# Altium PCB WAB_1x4_PCB.PcbDoc (part 1 of 5)
Units mil, origin at the board's own origin, x right, y up, seen from the top; angles counter-clockwise.
Board outline 13210.03 x 3810.03 mil, 12 copper layers (Top Layer, Ground Plane 1 (GND), Inner Layer 1, Ground Plane 2 (GND), Inner Layer 2, Power Plane (+3.3V), Power Plane (+12V), Inner Layer 3, Ground Plane 3 (GND), Inner Layer 4, Ground Plane 4 (GND), Bottom Layer), stack 82.8 mil thick; 113 components, 354 nets, 1682 pads, 1796 vias.
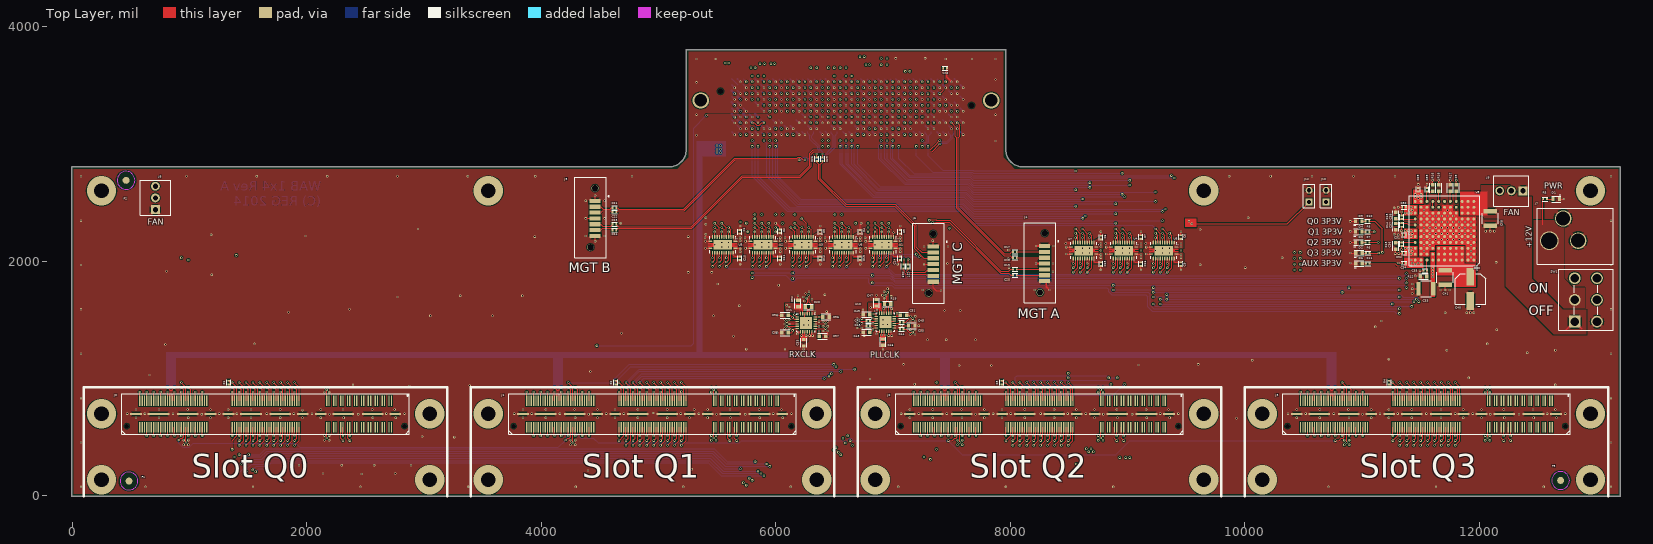
[diagram p0: Top Layer view]
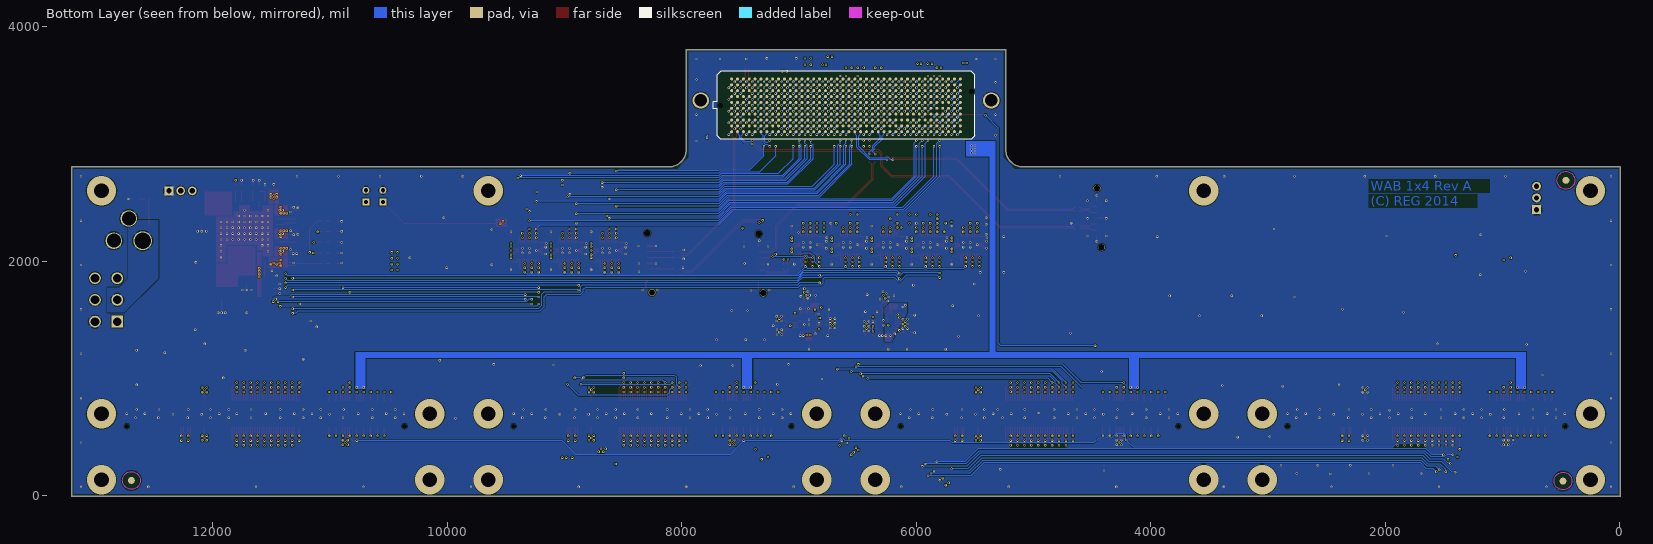
[diagram p1: Bottom Layer view, seen from below]
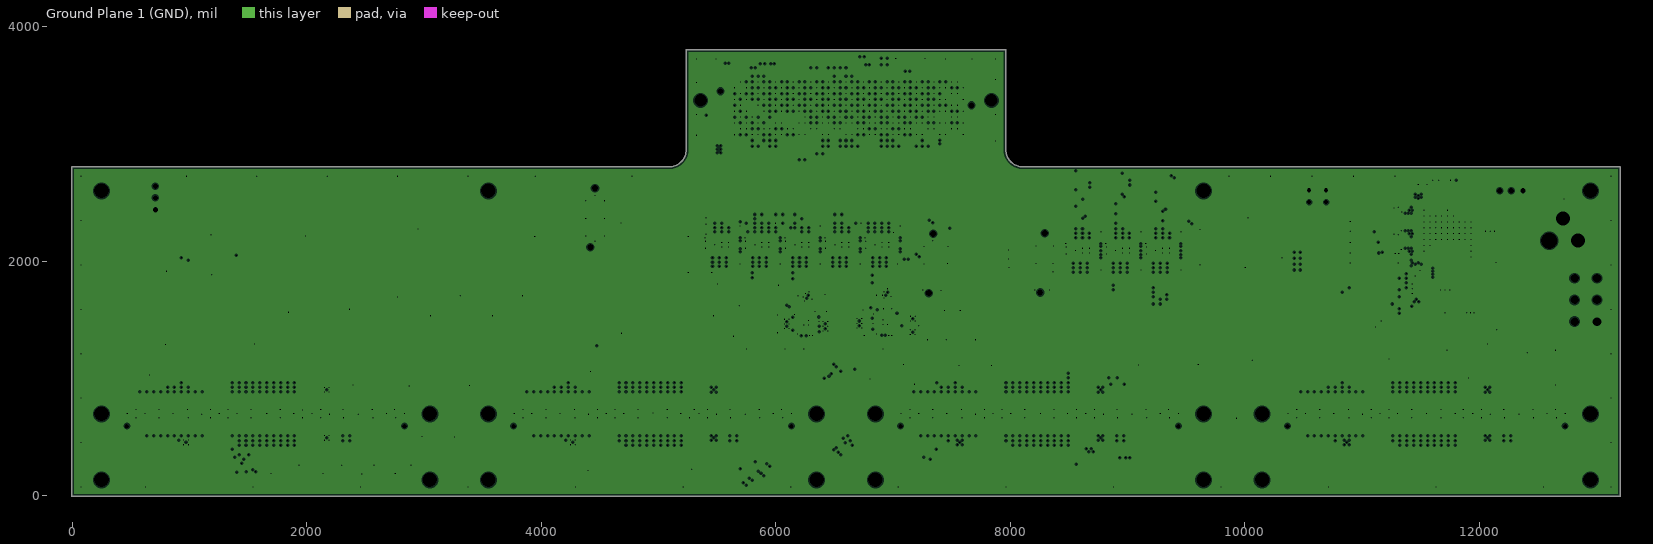
[diagram p2: Ground Plane 1 (GND), clearances drawn from the general rule]
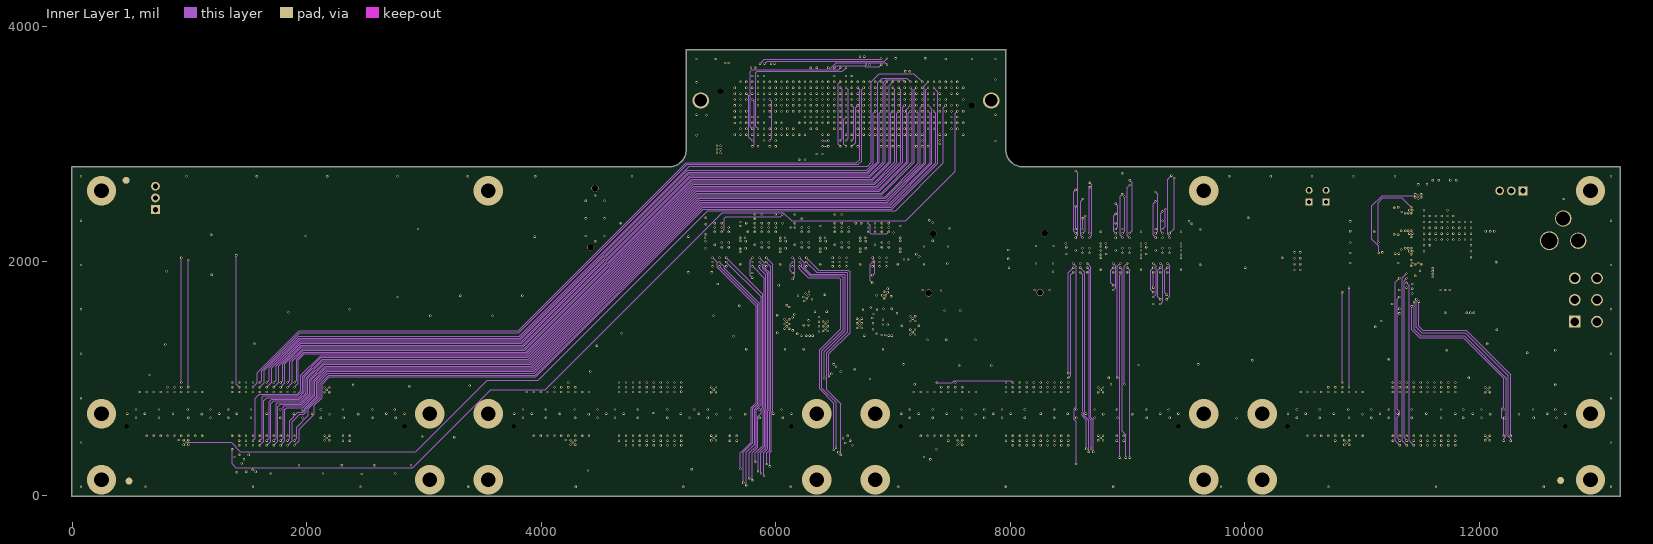
[diagram p3: Inner Layer 1]
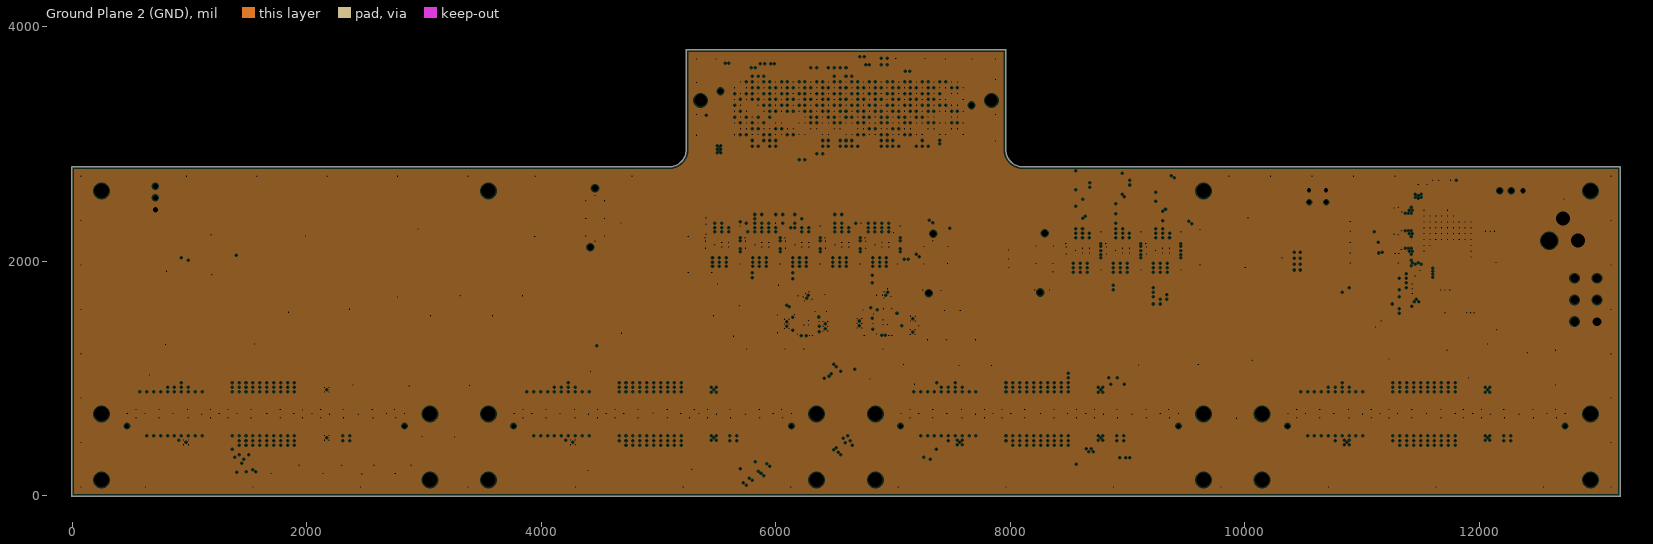
[diagram p4: Ground Plane 2 (GND), clearances drawn from the general rule]
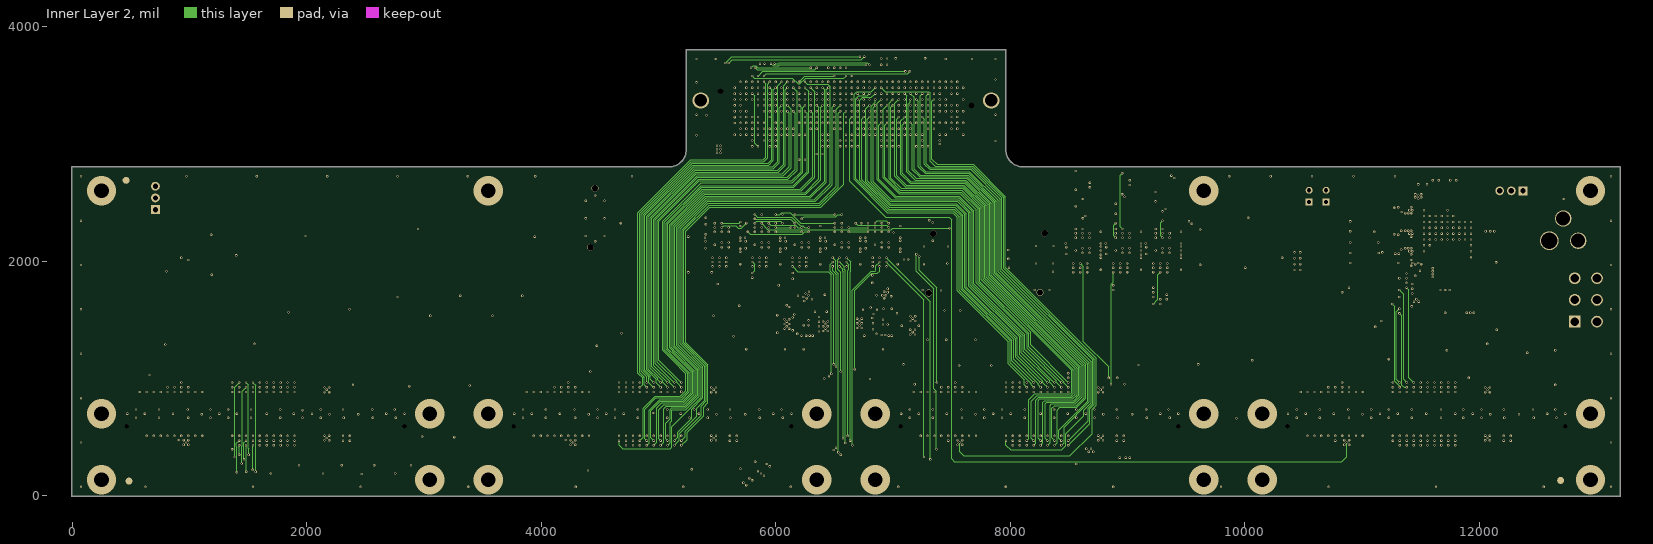
[diagram p5: Inner Layer 2]
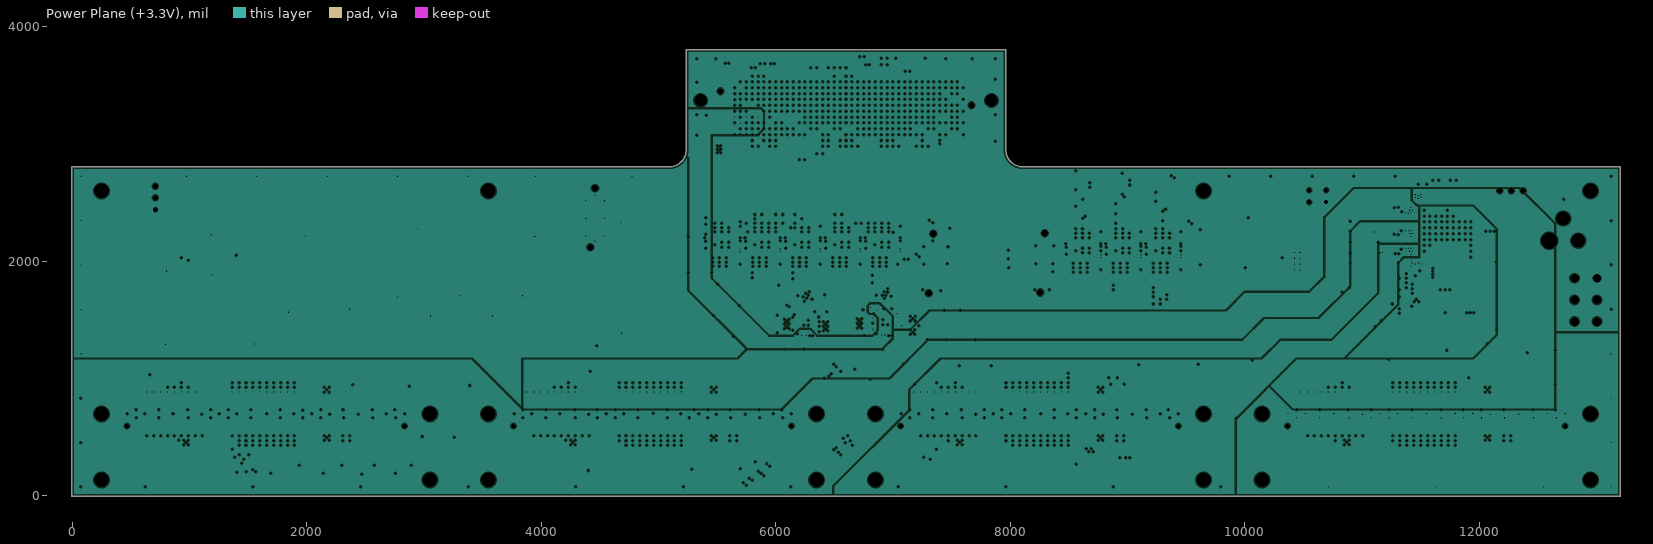
[diagram p6: Power Plane (+3.3V), clearances drawn from the general rule]
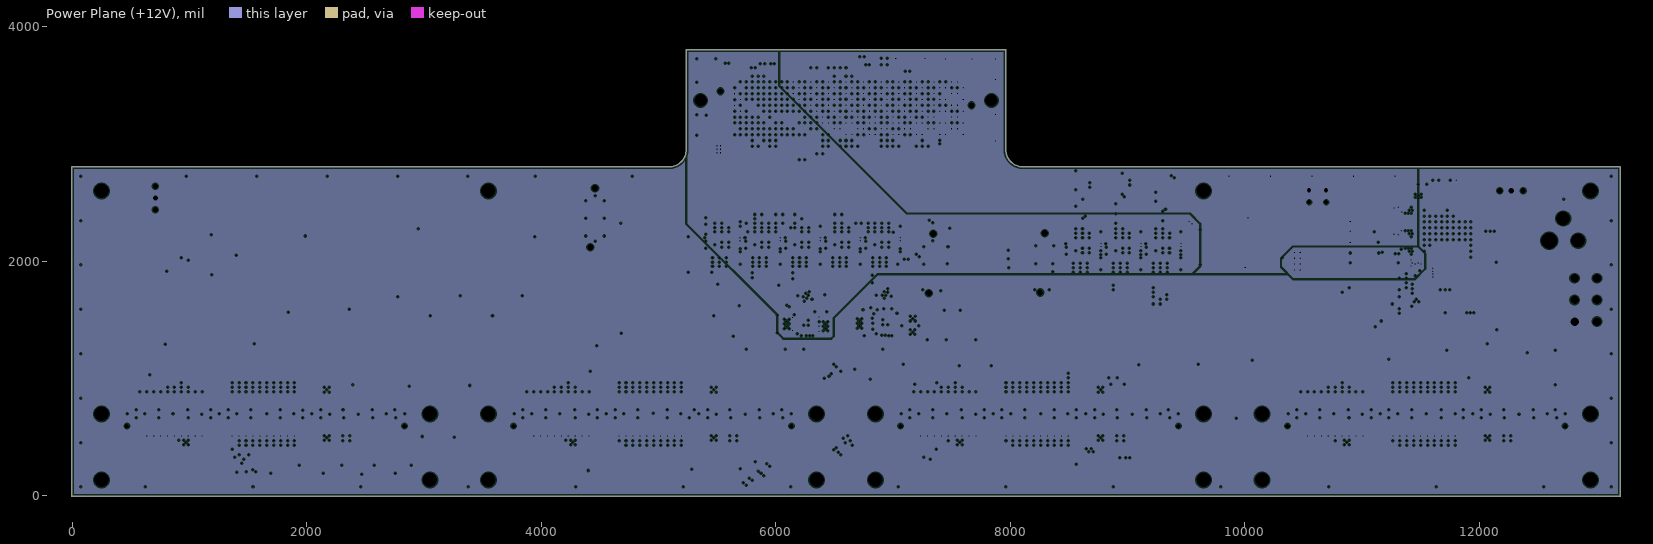
[diagram p7: Power Plane (+12V), clearances drawn from the general rule]
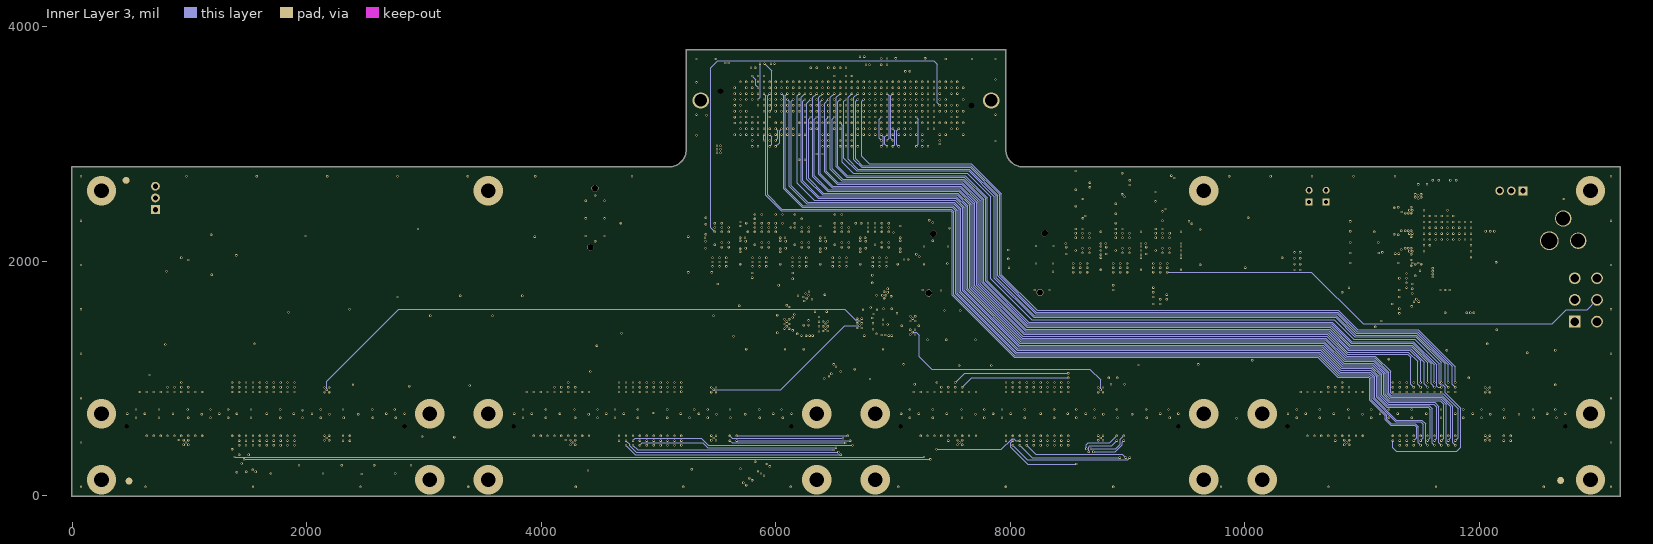
[diagram p8: Inner Layer 3]
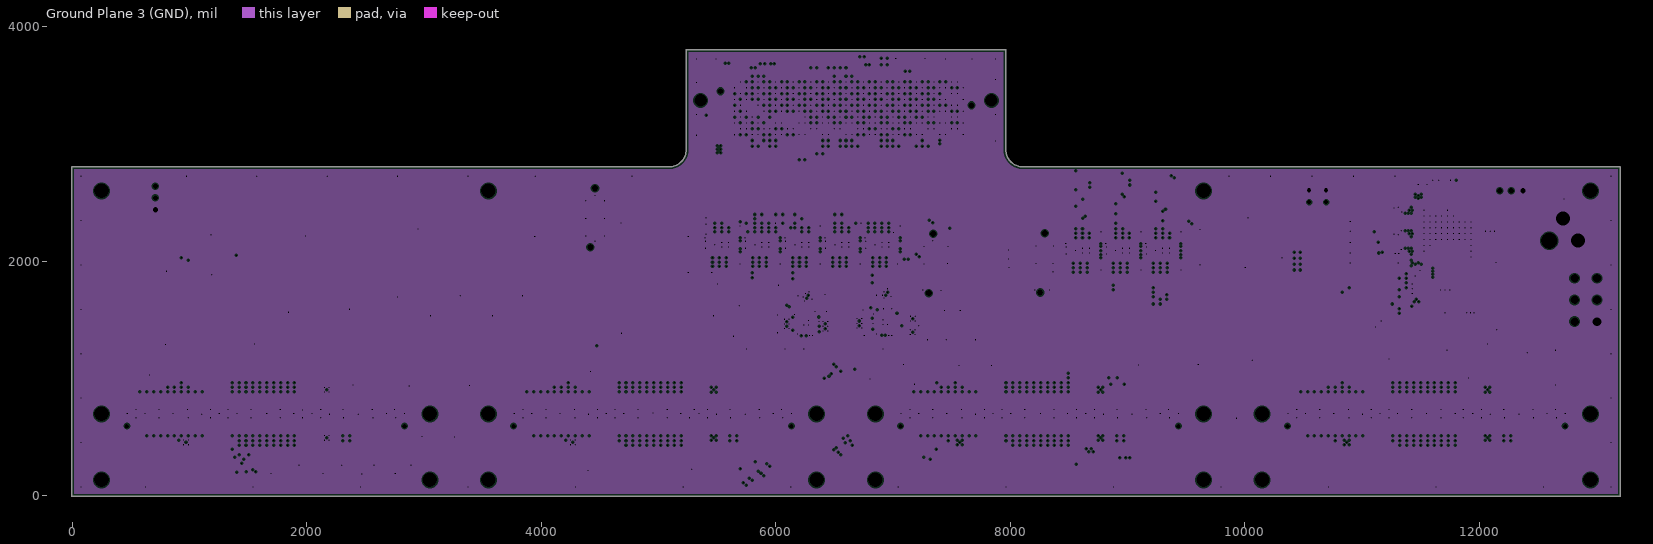
[diagram p9: Ground Plane 3 (GND), clearances drawn from the general rule]
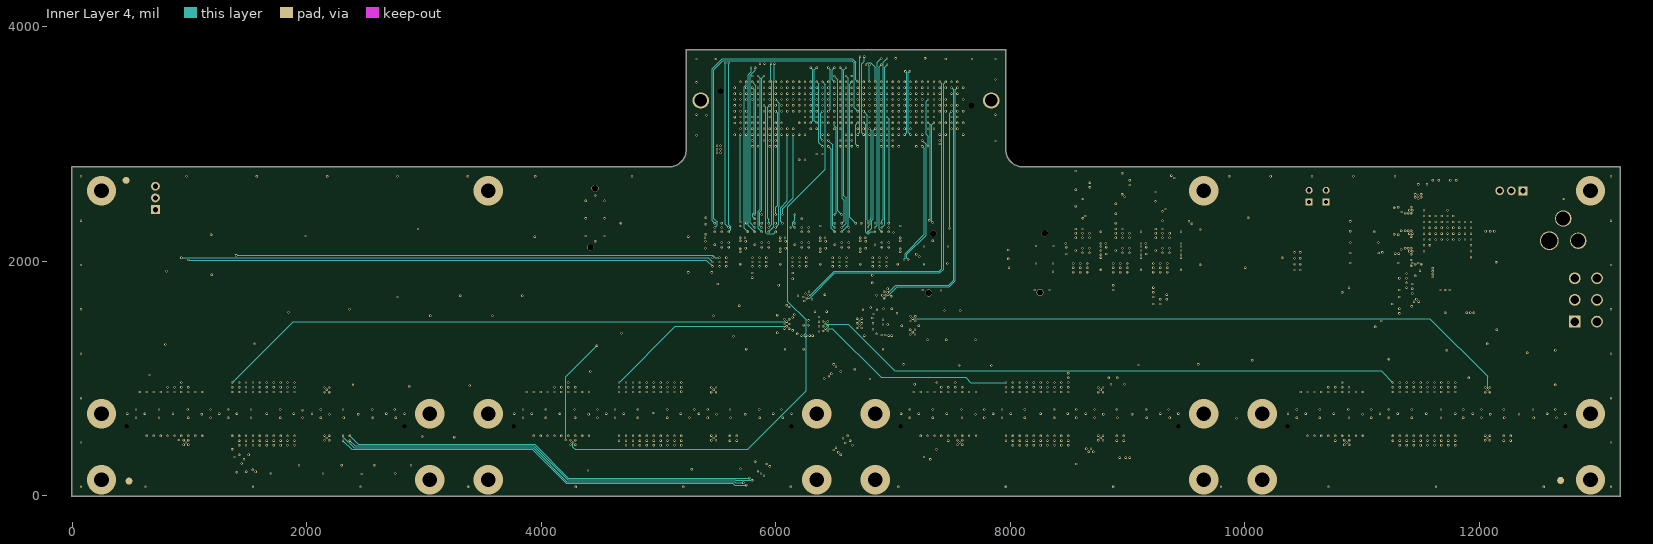
[diagram p10: Inner Layer 4]
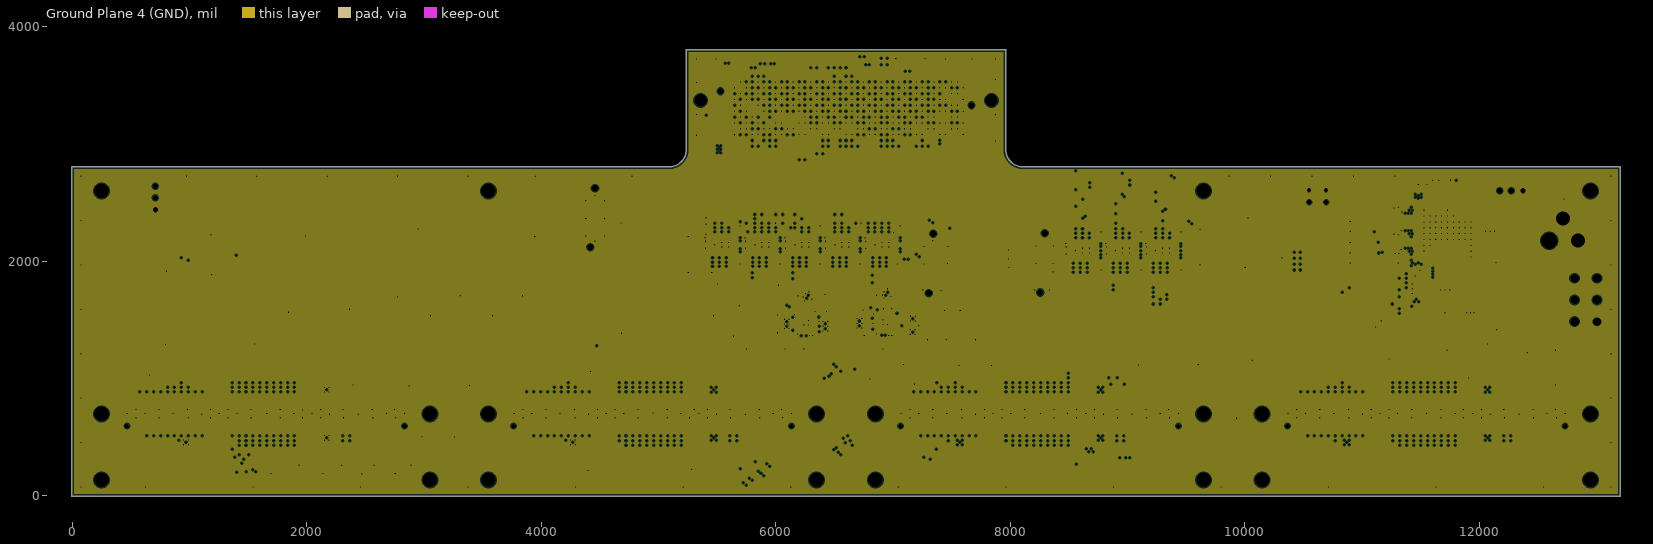
[diagram p11: Ground Plane 4 (GND), clearances drawn from the general rule]
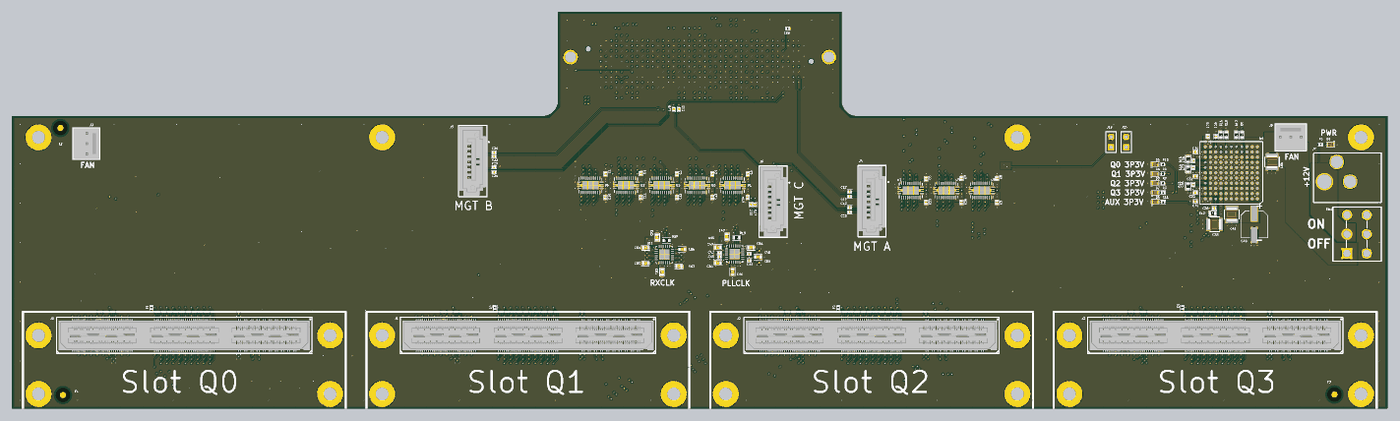
[diagram p16: 3D render of the assembled board from above, using the file's embedded part models]

## Layer stack, top to bottom
Top Solder: solder mask 0.4, PSR-4000BN, Dk 4.5
Top Layer: signal copper 1.35
Dielectric1: prepreg 3.9, FR406 2113, Dk 4.2
Ground Plane 1 (GND): plane copper 1.35, net GND
Dielectric2: core 5, FR406 Core, Dk 4.2
Inner Layer 1: signal copper 1.35
Dielectric3: prepreg 7.7, FR406 2113+2116, Dk 4.2
Ground Plane 2 (GND): plane copper 1.35, net GND
Dielectric4: core 5, FR406 Core, Dk 4.2
Inner Layer 2: signal copper 1.35
Dielectric5: prepreg 7.7, FR406 2113+2116, Dk 4.2
Power Plane (+3.3V): plane copper 1.35, net (Multiple Nets)
Dielectric6: core 8, FR406 Core, Dk 4.2
Power Plane (+12V): plane copper 1.35, net (Multiple Nets)
Dielectric7: prepreg 7.7, FR406 2113+2116, Dk 4.2
Inner Layer 3: signal copper 1.35
Dielectric8: core 5, FR406 Core, Dk 4.2
Ground Plane 3 (GND): plane copper 1.35, net GND
Dielectric9: prepreg 7.7, FR406 2113+2116, Dk 4.2
Inner Layer 4: signal copper 1.35
Dielectric10: core 5, FR406 Core, Dk 4.2
Ground Plane 4 (GND): plane copper 1.35, net GND
Dielectric11: prepreg 3.9, FR406 2113, Dk 4.2
Bottom Layer: signal copper 1.35
Bottom Solder: solder mask 0.4, PSR-4000BN, Dk 4.5

## Board outline
0,-5.01 cw(c0,0) -5.01,0 -5.01,2800 cw(c0,2800) 0,2805.01 5092,2805.01 ccw(c5092,2950) 5236.98,2950 cw(c5242,2950) 5236.99,2950.07 5236.99,3800 cw(c5242,3800) 5242,3805.02 7958,3805.02 cw(c7958,3800) 7963.01,3800 7963.01,2950 ccw(c8108,2950) 8108,2805.02 cw(c8108,2800) 8108.07,2805.01 13200,2805.01 cw(c13200,2800) 13205.01,2800 13205.01,0 cw(c13200,0) 13200,-5.01

## Design rules (kind name [scope] priority, off if disabled: settings)
AcuteAngle AcuteAngle-60deg [All] p1: minimum=6.00000000000000E+0001 checktracksonly=FALSE
Clearance MidLayerClearance-10/5mil [OnMid] p1: gap=10 ignorepadtopadclearanceinfootprint=FALSE except(0: Arc-Hole Track-Hole SMDPad-Hole THPad-Hole Via-Hole Fill-Hole Poly-Hole Region-Hole Text-Hole; 5: Track-Via)
Clearance GeneralClearance-7mil [All] p2: gap=7 ignorepadtopadclearanceinfootprint=FALSE except(0: Arc-Hole Track-Hole SMDPad-Hole THPad-Hole Via-Hole Fill-Hole Poly-Hole Region-Hole Text-Hole)
DiffPairsRouting [All] p1: maxlimit=10 minlimit=7 mostfreqgap=10 toplayer_minwidth=4 toplayer_maxwidth=15 toplayer_prefwidth=5 midlayer1_minwidth=4 midlayer1_maxwidth=15 midlayer1_prefwidth=5 midlayer2_minwidth=4 midlayer2_maxwidth=15 midlayer2_prefwidth=5 midlayer4_minwidth=4 midlayer4_maxwidth=15 midlayer4_prefwidth=5 midlayer6_minwidth=4 midlayer6_maxwidth=15 midlayer6_prefwidth=5 bottomlayer_minwidth=4 bottomlayer_maxwidth=15 bottomlayer_prefwidth=5 maxuncoupledlength=500
HoleSize HoleSize-6mil-drilled [All] p1: absolutevalues=TRUE maxlimit=250 minlimit=6 maxpercent=80.000 minpercent=20.000
HoleToHoleClearance HoleToHoleClearance-8mil [All] p1: gap=8 allowstackedmicrovias=TRUE
MinimumAnnularRing MinimumComponentAnnularRing-6mil [(IsVia AND InComponentClass('All Components'))] p1: minimumring=6
MinimumAnnularRing MinimumAnnularRing-5mil [All] p2: minimumring=5
MinimumSolderMaskSliver MinimumSolderMaskSliver-3mil [All] p1: minsoldermaskwidth=3
NetAntennae NetAntennae-0mil [NOT (InNet('Q0_PLLCLK_OUT') OR InNet('Q1_PLLCLK_OUT') OR InNet('Q2_PLLCLK_OUT') OR InNet('Q3_PLLCLK_OUT') OR InNet('Q0_CTRL_SEL') OR InNet('Q1_CTRL_SEL') OR InNet('Q2_CTRL_SEL') OR InNet('Q3_CTRL_SEL') )] p1: netantennaetolerance=0
PasteMaskExpansion PasteMaskExpansion-0 [All] p1: expansion=0
PlaneClearance PlaneClearance-10mil [All] p1: clearance=10
PlaneConnect PlaneConnect-GND-Direct [InNet('GND')] p1: planeconnectstyle=Direct reliefexpansion=20 reliefentries=4 reliefconductorwidth=10 reliefairgap=10
PlaneConnect PlaneConnect-VIA-Direct [IsVIA AND ( InNet('VCC_3P3_CARD') OR InNet('VCC_3P3_Q0') OR InNet('VCC_3P3_Q1') OR InNet('VCC_3P3_Q2') OR InNet('VCC_3P3_Q3') OR InNet('VCC_12P0_CARD') OR InNet('3P3V') OR InNet('VADJ') )] p2: planeconnectstyle=Direct reliefexpansion=20 reliefentries=4 reliefconductorwidth=10 reliefairgap=10
PlaneConnect PlaneConnect-Relief [All] p3: planeconnectstyle=Relief reliefexpansion=20 reliefentries=4 reliefconductorwidth=10 reliefairgap=10
PolygonConnect PolygonConnect-CompPad-relief [IsComponentPad OR IsComponent OR IsComponentVia OR IsComponentBody vs NOT ( InNet('VADJ') OR InNet('VCC_3P3_CARD') OR InNet('VCC_12P0_IN'))] p1: connectstyle=Relief reliefconductorwidth=30 reliefentries=4 polygonreliefangle="45 Angle" airgapwidth=10
PolygonConnect PolygonConnect-GNDVia-Direct [InNet('GND') vs IsVia] p2: connectstyle=Direct reliefconductorwidth=10 reliefentries=4 polygonreliefangle="90 Angle" airgapwidth=10
PolygonConnect PolygonConnect-PwrVia-Direct [InNet('VCC_3P3_CARD') OR InNet('VCC_3P3_Q0') OR InNet('VCC_3P3_Q1') OR InNet('VCC_3P3_Q2') OR InNet('VCC_3P3_Q3') OR InNet('VCC_12P0_CARD') OR InNet('3P3V') OR InNet('VADJ') vs IsVia] p3: connectstyle=Direct reliefconductorwidth=10 reliefentries=4 polygonreliefangle="90 Angle" airgapwidth=10
PolygonConnect PolygonConnect-Default-Direct [All] p4: connectstyle=Direct reliefconductorwidth=20 reliefentries=4 polygonreliefangle="90 Angle" airgapwidth=10
RoutingCorners RoutingCorners-45deg [All] p1: cornerstyle=45-Degree minsetback=100 maxsetback=100
RoutingVias RoutingVias-10mil [All] p1: holewidth=10 width=20 viastyle="Through Hole" minholewidth=6 minwidth=16 maxholewidth=20 maxwidth=34
SilkToSilkClearance SilkToSilkClearance-0.1mil [All] p1: silktosilkclearance=0.1
SilkToSolderMaskClearance SilkToSolderMaskClearance-2mil [IsPad] p1: minsilkscreentomaskgap=2 clearancetoexposedcopper=TRUE
SolderMaskExpansion SolderMaskExpansion-3mil [All] p1: expansion=3
UnRoutedNet [NOT (InNet('Q0_PLLCLK_OUT') OR InNet('Q1_PLLCLK_OUT') OR InNet('Q2_PLLCLK_OUT') OR InNet('Q3_PLLCLK_OUT') )] p1:
Width PwrWidth-20mil [(InNet('GND') OR InNet('3P3V') OR InNet('12P0V') OR InNet('VCC_VADJ_CARD')) OR InNet('VADJ') OR InNet('VCC_3P3_Q0') OR InNet('VCC_3P3_Q1') OR InNet('VCC_3P3_Q2') OR InNet('VCC_3P3_Q3') OR InNet('VCC_12P0_CARD') OR InNet('VCC_3P3_CARD')] p1: maxlimit=40 minlimit=10 preferedwidth=20
Width Width-50ohm-Top [(OnLayer('Top Layer'))] p2: maxlimit=20 minlimit=4.71 preferedwidth=4.71
Width Width-50ohm [All] p3: maxlimit=4.71 minlimit=4.16 preferedwidth=4.16 toplayer_minwidth=4.71 toplayer_prefwidth=4.71 midlayer1_maxwidth=4.16 midlayer2_maxwidth=4.16 midlayer4_maxwidth=4.16 midlayer6_maxwidth=4.16 bottomlayer_minwidth=4.71 bottomlayer_prefwidth=4.71 impedancedriven=TRUE minimp=50.000000 maximp=50.000000 favimp=50.000000
18 further rules are at their usual default settings.

## Classes and differential pairs
net class GA[0..1]: GA0 GA1
component class WAB_1x4_top: C29 C30 C31 C32 C33 C34 C35 C36 C37 C38 C39 C40 C41 C42 C43 C44 C45 C46 C47 C48 C49 C50 C51 C52 C53 C54 C55 C56 C57 C58 D1 D2 D3 D4 D5 D6 F1 F2 F3 J7 J8 J9 J10 J12 R5 R6 R7 R8 R9 R10 R11 R12 R13 R14 R15 R16 R17 R18 R19 R20 R21 SW1 U9 U10 U11
component class WAB_1x4_HSMC_slots: J0 J1 J2 J3 R1 R2 R3 R4
component class WAB_1x4_bus_transceivers: C1 C2 C3 C4 C5 C6 C7 C8 C9 C10 C11 C12 C13 C14 C15 C16 C17 C18 C19 C20 C21 C22 C23 C24 C25 C26 C27 C28 J4 J5 J6 U1 U2 U3 U4 U5 U6 U7 U8
component class FMC_HPC_400: P1
differential pair SATA_C_TX: +SATA_C_TX_P -SATA_C_TX_N
differential pair SATA_C_RX: +SATA_C_RX_P -SATA_C_RX_N
differential pair SATA_B_TX: +SATA_B_TX_P -SATA_B_TX_N
differential pair SATA_B_RX: +SATA_B_RX_P -SATA_B_RX_N
differential pair SATA_A_TX: +SATA_A_TX_P -SATA_A_TX_N
differential pair SATA_A_RX: +SATA_A_RX_P -SATA_A_RX_N
differential pair GBTCLK0_M2C: +GBTCLK0_M2C_P -GBTCLK0_M2C_N
differential pair DP9_M2C: +DP9_M2C_P -DP9_M2C_N
differential pair DP9_C2M: +DP9_C2M_P -DP9_C2M_N
differential pair DP8_M2C: +DP8_M2C_P -DP8_M2C_N
differential pair DP8_C2M: +DP8_C2M_P -DP8_C2M_N
differential pair DP2_M2C: +DP2_M2C_P -DP2_M2C_N
differential pair DP2_C2M: +DP2_C2M_P -DP2_C2M_N
differential pair DP1_M2C: +DP1_M2C_P -DP1_M2C_N
differential pair DP1_C2M: +DP1_C2M_P -DP1_C2M_N
differential pair DP0_M2C: +DP0_M2C_P -DP0_M2C_N
differential pair DP0_C2M: +DP0_C2M_P -DP0_C2M_N
differential pair CLK3_BIDIR: +CLK3_BIDIR_P -CLK3_BIDIR_N
differential pair CLK2_BIDIR: +CLK2_BIDIR_P -CLK2_BIDIR_N
differential pair CLK1_M2C: +CLK1_M2C_P -CLK1_M2C_N
differential pair CLK0_M2C: +CLK0_M2C_P -CLK0_M2C_N
